# Altium PCB STM32MP15XXAC_1DDR3Lx16_A01.PcbDoc (part 3 of 3)
Units mm, origin at the board's own origin, x right, y up, seen from the top; angles counter-clockwise.
Board outline 89 x 120 mm, 4 copper layers (Top Layer, Signal Layer 1, Signal Layer 2, Bottom Layer), stack 1.571 mm thick; 133 components, 92 nets, 915 pads, 400 vias.
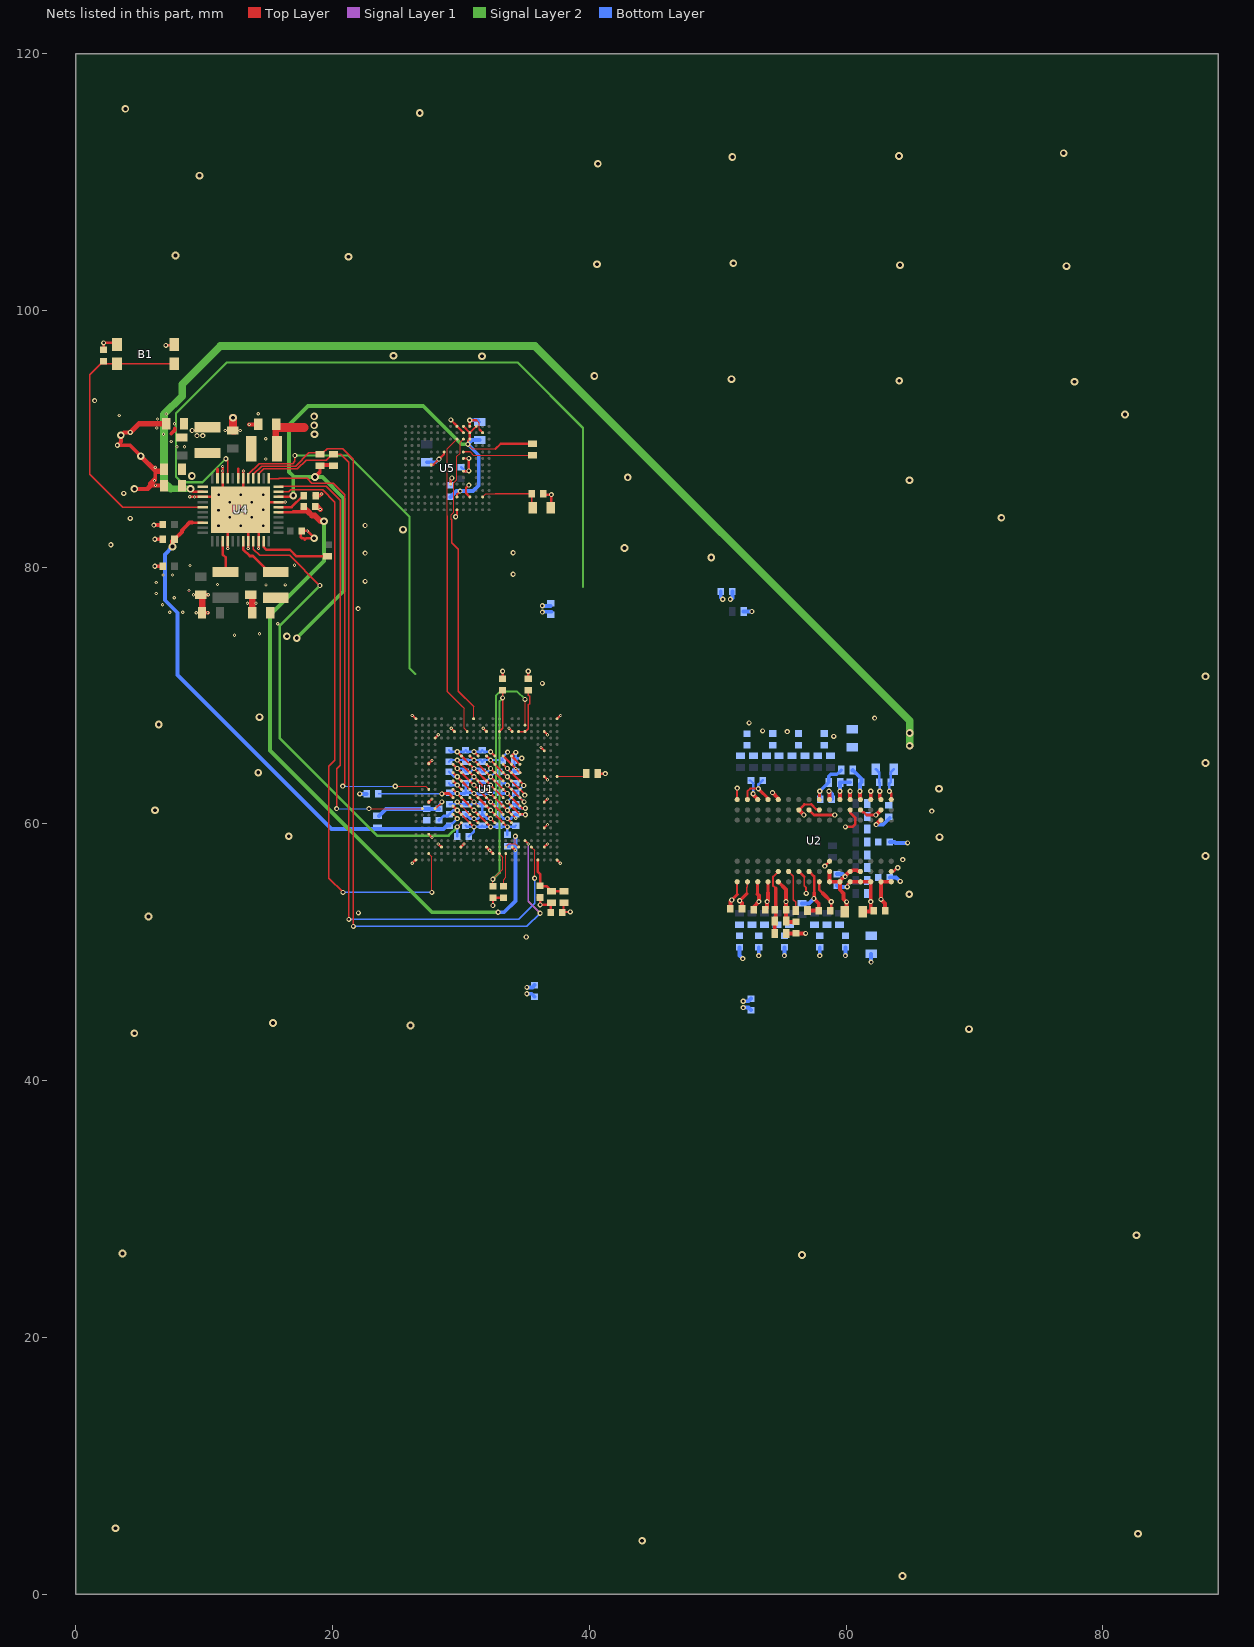
[diagram p5: the nets of this part, all layers, seen from the top]

## Via types
v1: diameter 0.4, hole 0.2, Top Layer to Bottom Layer, tented both sides, 241 vias
v2: diameter 0.6, hole 0.3, Top Layer to Bottom Layer, tented both sides, 81 vias
v3: diameter 0.25, hole 0.1, Top Layer to Signal Layer 1, tented top, 72 vias
v4: diameter 0.25, hole 0.1, Top Layer to Signal Layer 1, tented both sides, 6 vias

## Nets (pads, with @x,y where several pads share a name; then routed paths per layer and width w, separated by ;. In a path a pad name is that pad's centre, name@x,y a point inside that pad or via, vN(x,y) a via of type N, cw(c..) or ccw(c..) an arc to the next point about the centre after c; other vN are vias at no path point) (continued)
GND: B1.1 B1.2 C1.2 C2.2 C3.2 C4.2 C5.2 C6.2 C7.2 C8.2 C9.2 C10.2 C11.2 C12.2 C13.1 C14.1 C15.1 C16.1 C17.2 C18.1 C19.2 C20.2 C21.2 C22.2 C23.2 C24.2 C25.2 C26.2 C29.1 C30.1 C31.1 C32.1 C33.1 C34.1 C35.1 C36.1 C37.1 C38.1 C39.1 C40.1 C41.1 C42.1 C43.2 C44.1 C45.1 C46.1 C47.1 C48.1 C49.1 C50.1 C51.1 C52.1 C53.1 C54.1 C55.1 C56.1 C57.1 C61.1 C66.1 C67.1 C68.1 C69.1 C70.1 C71.1 C72.1 C75.1 C76.1 C77.1 C78.1 C79.1 C80.1 C81.1 C82.1 C83.1 C84.2 C85.2 C86.2 C87.2 C88.1 C89.2 C90.2 C92.1 C94.1 C95.1 C96.1 C97.1 R26.1 R27.2 R28.1 R29.1 R32.1 R42.1 R44.1 U1.1A3 U1.1A5 U1.1A7 U1.1B2 U1.1B4 U1.1B6 U1.1B8 U1.1C1 U1.1C3 U1.1C5 U1.1C7 U1.1C9 U1.1D2 U1.1D4 U1.1D6 U1.1D8 U1.1E1 U1.1E3 U1.1E5 U1.1E7 U1.1E9 U1.1F2 U1.1F4 U1.1F6 U1.1F8 U1.1G1 U1.1G3 U1.1G5 U1.1G7 U1.1G9 U1.1H2 U1.1H4 U1.1H6 U1.1H8 U1.1J3 U1.1J5 U1.1J7 U1.A1 U1.A23 U1.AA5 U1.AA8 U1.AA12 U1.AA16 U1.AA21 U1.AB13 U1.AC1 U1.AC23 U1.C7 U1.C12 U1.C16 U1.C21 U1.D4 U1.F21 U1.H3 U1.K21 U1.P3 U1.P21 U1.V21 U1.W3 U2.A9 U2.B1 U2.B3 U2.B9 U2.D1 U2.D8 U2.E1 U2.E2 U2.E8 U2.F9 U2.G1 U2.G8 U2.G9 U2.J2 U2.J8 U2.M1 U2.M9 U2.P1 U2.P9 U2.T1 U2.T9 U4.6 U4.10 U4.15 U4.26 U4.30 U4.32 U4.41 U4.ep U5.A6 U5.C4 U5.E7 U5.G5 U5.H10 U5.J5 U5.K8 U5.N2 U5.N5 U5.P4 U5.P6 | length 188
  Top Layer w0.09: 31.225,91.45 31.45,91.225 31.45,90.725
  Top Layer w0.12: U2.M1@54.725,61.9 U2.M1@54.725,62 ; v1(58.675,62.55) v1@58.725,62.5
  Top Layer w0.15: 51.525,54.51 U2.T9@51.525,55.55 ; U2.T1@51.525,61.9 v1(51.525,62.8) ; v1@52.765,62.31 v1(52.765,62.36)
  Top Layer w0.175: v3(26.225,56.95) 26.475,57.2 U1.AC1@26.5,57.2 ; v3(26.225,68.45) 26.25,68.45 U1.A1@26.5,68.2 ; U1.W3@27.5,59.2 v3(27.75,58.95) ; U1.P3@27.5,61.7 v3(27.75,61.95) ; U5.H10@27.7,87.975 27.85,87.975 v1(28.3,88.425) 28.7,88.825 U5.K8@28.7,88.975 ; U1.D4@28,66.7 v3(28.25,66.95) ; v3(28.25,58.45) U1.AA5@28.5,58.2 ; v1(29.225,91.475) 29.7,91 U5.P6@29.7,90.975 U5.N5@30.2,90.475 ; v3(29.25,67.45) U1.C7@29.5,67.2 ; U1.1G1@29.4,61.4 U1.1J3@30.7,60.1 v1(31.025,59.775) ; U1.1E1@29.4,62.7 U1.1G3@30.7,61.4 U1.1J5@32,60.1 v1(32.325,59.775) ; U1.1C1@29.4,64 U1.1D2@30.05,63.35 U1.1E3@30.7,62.7 U1.1G5@32,61.4 U1.1H6@32.65,60.75 U1.1J7@33.3,60.1 v1(33.625,59.775) ; v1(29.6,83.925) 29.7,84.025 U5.A6@29.7,84.475 ; v1(29.725,64.975) v1(31.025,63.675) U1.1E5@32,62.7 v1(32.325,62.375) U1.1F6@32.65,62.05 U1.1G7@33.3,61.4 U1.1H8@33.95,60.75 33.975,60.75 v3(34.275,60.45) ; U5.G5@30.2,87.475 30.601,87.475 v1(30.625,87.5) v1(30.625,88.475) U5.J5@30.2,88.475 ; v1(30.625,86.4) 30.4,86.175 30.4,85.775 U5.C4@30.7,85.475 ; U1.1A3@30.7,65.3 U1.1B4@31.35,64.65 U1.1C5@32,64 U1.1E7@33.3,62.7 U1.1F8@33.95,62.05 U1.1G9@34.6,61.4 34.775,61.225 v1(35.025,61.225) ; U5.P4@30.7,90.948 U5.P4@30.7,90.975 v1(30.7,91.45) 31.225,91.45 ; 31.45,90.725 U5.N2@31.7,90.475 ; v3(31.75,67.45) U1.C12@32,67.2 ; U1.1A5@32,65.3 v1(32.325,64.975) U1.1C7@33.3,64 U1.1E9@34.6,62.7 34.975,62.325 v1(34.975,62.25) ; v1(32.5,53.65) C67.1@32.5,54.25 C69.1@33.325,54.25 ; U1.1A7@33.3,65.3 U1.1B8@33.95,64.65 U1.1C9@34.6,64 ; v3(33.75,67.45) U1.C16@34,67.2 ; U1.1C9@34.6,63.975 U1.1C9@34.6,64 ; U1.1C9@34.625,64 U1.1C9@34.6,64 ; v3(36.25,65.95) U1.F21@36.5,65.7 ; C82.1@36.425,85.725 36.5,85.65 v1(37.05,85.65) 37.05,84.675 C83.1@37,84.625 ; U1.AA21@36.5,58.2 v3(36.75,58.45) ; U1.V21@36.5,59.7 v3(36.75,59.95) ; U1.P21@36.5,61.7 v3(36.75,61.95) ; U1.K21@36.5,63.7 v3(36.75,63.45) ; U1.C21@36.5,67.2 v3(36.75,66.95) ; U1.AC23@37.5,57.2 v3(37.75,56.95) ; U1.A23@37.5,68.2 37.75,68.45 v3(37.775,68.45)
  Top Layer w0.2: C44.1@2.175,96.95 v1(2.175,97.475) 3.1,97.475 B1.1@3.225,97.35 ; v1(7.025,97.275) 7.6,97.275 B1.2@7.675,97.35 ; v4(8.882,85.482) 9.243,85.482 v4(9.25,85.475) U4.15@9.9,85.475 10.875,85.475 U4.ep@10.9,85.45 ; v3@11.45,87.825 v3(11.45,87.5) U4.10@11.45,86.925 11.45,85.875 v1(12.85,84.475) ; v3(11.85,81.45) U4.26@11.85,82.025 11.85,83.475 v1(12.85,84.475) ; v2(12.255,91.64) v2@12.381,91.514 ; v3@13.05,87.5 U4.6@13.05,86.925 U4.ep@13.05,84.675 ; v3@13.45,81.425 v3(13.45,81.45) U4.30@13.45,82.025 U4.ep@13.45,83.875 ; v3(14.25,81.45) U4.32@14.25,82.025 14.25,83.075 U4.ep@13.45,83.875 ; v3(16.325,85.075) U4.41@15.8,85.075 13.45,85.075 U4.ep@13.05,84.675 ; C51.1@17.537,82.762 17.537,82.338 17.625,82.25 17.757,82.25 17.857,82.15 17.957,82.25 v2(18.575,82.25) ; C51.1@17.6,82.825 v3(18.05,82.825) v2@18.6,82.275 ; U1.H3@27.5,64.7 v3(27.75,64.95) ; U5.E7@29.2,86.475 29.2,86.825 v1@29.325,86.95 ; U1.AA8@30,58.2 v3(30.25,58.45) ; U1.AA12@32,58.2 v3(32.25,57.95) U1.AB13@32.5,57.7 ; C66.1@33.25,71.3 v1(33.25,71.9) ; U1.AA16@34,58.2 v3(34.25,57.95) ; C68.1@35.25,71.3 v1(35.25,71.9) ; C72.1@36,54.275 36.175,54.1 v1(36.175,53.7) 37,53.7 C88.1@37,53.1 C88.1@37,53.05 ; R27.2@40.675,63.925 v1(41.25,63.925) ; 53.105,54.53 53.105,55.48 U2.P9@53.125,55.5 ; R44.1@55.35,52.45 R44.1@55.425,52.375 ; U2.J8@57.105,56.343 57.525,55.923 57.525,54.625 ; U2.J2@57.125,61.1 57.525,60.7 v1(59.125,60.7) ; v1(59.95,59.775) 60.5,59.775 60.725,60 60.725,60.48 60.325,60.88 U2.E2@60.325,61.15 ; U2.D1@61.085,61.94 U2.D1@61.125,61.9 ; v1(61.085,62.55) v1@61.125,62.51 ; U2.B1@62.625,62 U2.B1@62.725,61.9 ; v1(12.85,84.475) U4.ep@13.05,84.675 ; v1(12.85,84.475) U4.ep@13.45,83.875
  Top Layer w0.25: v1@51.095,54.08 51.525,54.51
  Top Layer w0.3: v1(4.25,90.5) 3.75,90.5 v2(3.525,90.275) 3.525,89.775 v1(3.25,89.5) 4.225,89.5 v2(5.075,88.65) ; v2(4.575,86.1) 5.65,86.1 5.675,86.125 ; v1(6.1,83.275) 6.75,83.275 C41.1@6.8,83.325 C41.1@6.775,83.35 ; v3(6.144,86.744) 5.925,86.525 5.925,86.5 ; v1(6.175,80.075) C32.1@6.8,80.075 ; v1(6.175,82.175) C49.1@6.8,82.175 ; v3(6.2,87.775) 6.2,87.525 6.2,86.95 ; C46.1@6.85,86.375 v3(6.214,86.375) 5.925,86.375 ; 7.45,90.4 7.725,90.675 7.725,90.8 ; C39.1@9.75,77.85 v3(10.325,77.85) ; C40.1@9.85,76.45 v3(10.3,76.45) ; C33.1@12.255,90.701 12.25,90.696 12.227,90.673 C33.1@12.25,90.65 C33.1@12.4,90.5 ; v3@13.5,91.125 v3(13.525,91.125) 13.95,91.125 C34.1@14.2,90.875 ; C43.2@18.6,85.575 C43.2@18.65,85.525 ; C43.2@18.684,85.562 19.012,85.562 v3(19.15,85.7) ; C21.2@51,53.4 51,53.975 v1(51.105,54.08) ; v1@52.765,62.31 U2.P1@53.15,61.925 ; C20.2@52.825,53.325 52.825,53.56 v1(53.215,53.95) 53.215,54.42 53.105,54.53 ; v1(54.275,62.45) U2.M1@54.725,62 ; U2.M9@54.725,55.5 55.325,54.9 v1(55.325,53.95) 55.325,52.475 R44.1@55.35,52.45 ; R44.1@55.425,52.375 C90.2@56.1,52.375 ; R29.1@57,53.25 C19.2@57.875,53.25 57.875,53.81 v1@57.525,54.16 ; v1(57.5,54.2) 57.5,54.185 v1@57.525,54.16 ; 57.525,54.625 v1@57.525,54.16 ; U2.G9@58.725,55.5 U2.G9@58.725,55.55 ; U2.G8@58.725,56.3 U2.G9@58.725,55.55 ; U2.G1@58.725,61.9 v1@58.725,62.5 ; U2.F9@59.505,55.543 60.305,56.343 60.438,56.343 60.489,56.393 60.861,56.393 60.912,56.343 U2.D8@61.053,56.343 ; U2.F9@59.525,55.55 U2.F9@59.525,55.5 ; C15.1@59.9,53.175 60.045,53.32 v1(60.045,53.93) 59.805,54.17 59.805,54.595 59.525,54.875 U2.F9@59.525,55.5 ; U2.E1@60.325,61.9 v1(60.325,62.55) ; U2.D1@61.085,61.94 v1(61.085,62.55) ; v1(62.35,59.95) 62.7,60.3 U2.B3@62.725,60.3 ; U2.B1@62.625,62 v1(62.625,62.55) ; C17.2@63.05,53.25 63.05,53.8 v1(62.725,54.125) U2.B9@62.725,55.5 U2.A9@63.525,55.5 ; 5.675,86.125 5.675,86.25 5.863,86.438 ; 5.675,86.125 5.925,86.375 ; 5.863,86.438 5.925,86.5 ; 5.863,86.438 5.925,86.375 ; 5.863,86.438 5.775,86.525 6.2,86.95 ; 5.925,86.375 5.925,86.5 ; 5.925,86.5 6.2,86.775 6.2,86.95 ; U2.G9@58.725,55.55 58.775,55.5 U2.F9@59.525,55.5
  Top Layer w0.4: v1(4.25,90.5) 4.925,91.175 C29.1@7.05,91.175 ; v2(5.075,88.65) 6.2,87.525 6.25,87.475 C42.1@6.6,87.475 ; C52.1@18.751,84.801 v3(19.053,84.5)
  Top Layer w0.5: C18.1@8.125,90.1 C18.1@8.25,90.1 ; C39.1@9.75,77.85 9.85,77.75 C40.1@9.85,76.45 ; C31.1@13.625,77.85 13.625,77.75 13.75,77.625 C38.1@13.75,76.45
  Top Layer w0.6: C33.1@12.25,90.65 12.25,90.696 12.25,91.635 v2(12.255,91.64)
  Bottom Layer w0.15: C22.2@52.5,63.4 52.55,63.4 C22.2@52.765,63.185 ; v1(58.675,62.55) v1@58.75,62.625
  Bottom Layer w0.175: C75.1@29.075,64.075 29.475,63.675 v1(29.725,63.675) 30.225,63.175 C37.1@30.375,63.175 30.525,63.175 v1(31.025,63.675) 31.525,63.175 C36.1@31.675,63.175 31.825,63.175 v1(32.325,63.675) 32.725,64.075 C45.1@32.975,64.075 33.225,64.075 v1(33.625,63.675) 34.125,63.175 C57.1@34.275,63.175 ; C35.1@29.075,64.85 29.2,64.975 v1(29.725,64.975) v1(31.025,64.975) 31.55,64.975 C76.1@31.675,64.85 31.8,64.975 v1(32.325,64.975) C53.1@33.25,64.975 ; C96.1@30.375,59.875 C96.1@30.475,59.775 ; C47.1@30.625,59.025 31.025,59.425 v1(31.025,59.775) ; C81.1@31.325,91.45 C81.1@31.475,91.3 ; C95.1@31.575,59.775 C95.1@31.675,59.875 C95.1@31.775,59.775 ; C55.1@32.875,59.775 C55.1@32.975,59.875 C55.1@33.075,59.775 ; C53.1@33.275,64.95 C53.1@33.25,64.975 ; v1(33.65,65.6) 33.25,65.2 C53.1@33.25,64.975 ; C54.1@34.175,59.775 C54.1@34.275,59.875
  Bottom Layer w0.2: C97.1@28.3,60.35 C97.1@28.3,60.275 28.65,60.625 28.975,60.625 29.425,61.075 v1(29.725,61.075) ; C94.1@29.125,62.425 29.175,62.375 v1(29.725,62.375) 30.325,62.375 C48.1@30.375,62.425 ; C80.1@29.2,86.375 29.2,86.825 v1@29.325,86.95 ; C78.1@30.025,87.8 30.35,87.475 30.6,87.475 v1(30.625,87.5) ; C37.1@30.375,63.175 C48.1@30.375,62.425 ; C96.1@30.475,59.775 v1(31.025,59.775) C95.1@31.575,59.775 ; C92.1@31.675,62.425 C92.1@31.725,62.375 ; C95.1@31.775,59.775 v1(32.325,59.775) C55.1@32.875,59.775 ; C55.1@33.075,59.775 v1(33.625,59.775) ; C71.1@33.625,59.175 v1(33.625,59.775) ; v1(33.625,61.075) 34.075,61.525 C56.1@34.275,61.525 34.575,61.225 v1(35.025,61.225) ; v1(33.625,62.375) 33.025,62.375 C77.1@32.975,62.425 32.375,62.425 v1(32.325,62.375) C92.1@31.725,62.375 ; C54.1@34.175,59.775 v1(33.625,59.775) ; v1(52.765,62.36) C22.2@52.765,63.185 ; C16.1@62.325,64.275 62.575,64.025 C24.2@62.575,63.25 62.625,63.2 v1(62.625,62.55) ; C48.1@30.375,62.425 30.975,62.425 v1(31.025,62.375) C92.1@31.725,62.375
  Bottom Layer w0.3: v1(22.125,62.35) C61.1@22.675,62.35 ; C79.1@27.35,88.175 28.05,88.175 v1(28.3,88.425) ; v1(30.7,91.45) C81.1@31.325,91.45 ; v1(35.15,47.275) 35.575,47.275 C87.2@35.75,47.45 ; v1@36.325,76.975 C84.2@36.975,76.975 ; v1(51,77.5) 51.036,77.5 51.15,77.614 C85.2@51.15,78.1 ; C2.2@51.705,50.395 51.705,49.77 v1(51.955,49.52) ; v1(52,45.7) 52.4,45.7 C86.2@52.6,45.5 ; R28.1@52.025,76.55 v1(52.675,76.55) ; v1(53.205,49.745) C3.2@53.205,50.395 ; v1(55.205,49.745) C4.2@55.205,50.395 ; R26.1@56.58,53.82 57.12,53.82 v1(57.5,54.2) ; v1(57.955,49.745) C1.2@57.955,50.395 ; v1(58.675,62.55) 58.9,62.325 C25.2@58.9,61.925 ; C23.2@59.3,56.1 59.725,56.1 v1(59.925,55.9) ; v1(59.955,49.745) C5.2@59.955,50.395 ; R42.1@60.5,64.175 R42.1@60.525,64.2 61.2,63.525 C89.2@61.2,63.25 61.085,63.135 v1(61.085,62.55) ; v1(61.955,49.245) C13.1@61.955,49.895 ; v1@62.325,59.9 62.385,59.96 62.9,59.96 C8.2@63.405,60.465 ; C6.2@63.405,55.845 63.905,55.845 v1@64.105,55.645 ; C7.2@63.405,58.595 63.78,58.595 63.85,58.525 v1(64.8,58.525)
  other v1: 35.1,51.2 22.025,53.075 64.225,55.525 64.425,57.225 66.675,61 31.025,61.075 32.325,61.075 59.05,66.825 55.425,67.2 53.5,67.25 52.45,67.875 62.225,68.25 36.35,70.95 22,76.775 36.35,77 22.55,78.9 34.075,79.45 22.55,81.1 34.075,81.125 2.75,81.75 11.125,83.225 12.875,83.225 14.6,83.225 22.55,83.25 4.25,83.801 12,83.875 13.725,83.875 11.125,84.45 14.6,84.475 12,85.075 13.725,85.075 11.15,85.65 12.875,85.65 14.6,85.65 3.75,85.75 29.3,86.95 1.475,92.975
  other v2: 64.4,1.425 44.125,4.175 82.75,4.725 3.1,5.15 56.575,26.425 3.65,26.55 82.625,27.975 4.575,43.7 69.575,44.025 26.075,44.3 15.375,44.5 5.675,52.8 64.925,54.525 88,57.5 67.275,58.975 16.6,59.05 6.175,61.075 67.25,62.75 14.225,64 88,64.75 6.475,67.75 14.325,68.325 88,71.5 49.5,80.75 42.75,81.5 25.5,82.925 72.1,83.85 64.95,86.775 43,87 81.725,91.9 77.8,94.45 64.15,94.525 51.075,94.65 40.4,94.9 31.65,96.425 24.75,96.475 77.175,103.45 64.2,103.525 40.6,103.6 51.225,103.675 21.25,104.175 7.775,104.275 9.65,110.5 40.675,111.425 51.15,111.95 64.125,112.025 76.95,112.25 26.8,115.375 3.875,115.7
  other v3: 34.275,64.325 12.375,74.7 14.325,74.825 15.75,75.6 9.4,76.45 6.775,77.075 13.375,77.2 14.05,77.2 7.675,77.625 9.175,77.85 8.825,78.175 14.825,78.625 16.325,78.625 11.05,78.65 6.8,79.4 7.55,79.4 8.911,80.125 17.05,80.15 13.075,87.5 11.45,87.85 14.8,88.425 7.9,89.375 8.475,89.375 7.45,89.8 14.8,90 6.85,90.35 11.65,90.65 12.825,90.65 6.325,90.85 7.7,91.175 6.375,91.55 3.4,91.825 7.05,91.925 14.225,91.95
  other v4: 7.325,76.5 8.35,76.5 6.275,77.95 6.275,78.8
I2C4_SCL: R37.2 U1.Y18 U4.4 | length 66.8
  Top Layer w0.1: U4.4@13.85,86.925 13.85,87.237 14.488,87.875 17.125,87.875 18.15,88.9 19.025,88.9 19.26,88.9 19.6,89.24 20.81,89.24 21.638,88.413 v1(21.638,52.025) ; U1.Y18@35,58.7 v3(35.25,58.45)
  Signal Layer 1 w0.1: v3(35.25,58.45) 35.25,53.975 v1(36.175,53.05)
  Bottom Layer w0.1: v1(21.638,52.025) 35.15,52.025 v1(36.175,53.05)
I2C4_SDA: R38.2 U1.AA19 U4.3 | length 63.3
  Top Layer w0.09: U1.AA19@35.5,58.2 35.75,57.95 v1(35.75,55.775)
  Top Layer w0.1: U4.3@14.25,86.925 14.25,87.267 14.658,87.675 17.275,87.675 17.95,88.35 19.525,88.35 20.012,88.838 R38.2@19.975,88.875 ; R38.2@20.074,88.813 20.637,88.813 21.288,88.162 v1(21.288,52.575)
  Bottom Layer w0.1: v1(21.288,52.575) 34.5,52.575 35.75,53.825 v1(35.75,55.775)
NetB1_3: B1.3 B1.4 C44.2 U4.17 | length 24.5
  Top Layer w0.1: B1.4@7.675,95.85 B1.3@3.225,95.85 2.175,95.85 1.95,95.85 1.1,95 1.1,87.25 3.675,84.675 U4.17@9.9,84.675
NetC25_1: C25.1 R33.1 R42.2 U2.H1 | length 3.9
  Top Layer w0.25: U2.H1@57.925,61.9 57.925,62.52 v1(57.955,62.55)
  Bottom Layer w0.25: C25.1@58,61.925 57.955,61.97 v1(57.955,62.55) 57.955,62.555 R33.1@58.65,63.25 58.65,63.725 58.8,63.875 59.3,63.875 R42.2@59.625,64.2
NetC26_1: C26.1 R34.1 R44.2 U2.M8 | length 5.1
  Top Layer w0.15: 54.525,54.975 54.325,55.175 54.325,55.9 U2.M8@54.725,56.3
  Top Layer w0.3: R34.1@54.45,51.475 R44.2@54.45,52.45 54.525,52.525 54.525,53.325 54.525,54.975
NetC43_1: C43.1 U4.40 | length 2.2
  Top Layer w0.2: U4.40@15.8,84.675 16.828,84.675 C43.1@17.689,85.536
NetC61_2: C61.2 U1.1F1 | length 6
  Top Layer w0.2: v1@28.55,62.375 29.075,62.375 U1.1F1@29.4,62.05
  Top Layer w0.3: v1@28.475,62.35 v1(28.525,62.35) v1@28.55,62.375
  Bottom Layer w0.1: C61.2@23.575,62.35 v1(28.525,62.35)
NetC68_2: C68.2 U1.C17 U1.C18 | length 3.9
  Top Layer w0.1: U1.C17@34.5,67.2 U1.C18@35,67.2 35.025,67.2 35.25,67.425 35.25,69.275 35.35,69.375 35.35,69.945 35.25,70.045 C68.2@35.25,70.4
NetC69_2: C69.2 U1.AB15 | length 2.6
  Top Layer w0.09: C69.2@33.325,55.15 33.325,55.675 33.5,55.85 U1.AB15@33.5,57.7
NetC72_2: C72.2 R31.1 R32.2 U1.AC20 | length 4.1
  Top Layer w0.2: U1.AC20@36,57.2 36,56.275 36.2,56.075 36.2,55.175 36.2,55.15 36.7,55.15 R32.2@37.075,54.775 R31.1@38.05,54.775
NetC82_2: C82.2 C83.2 U5.C2 | length 5.1
  Top Layer w0.09: U5.C2@31.7,85.475 31.95,85.725 32.7,85.725
  Top Layer w0.1: 32.7,85.725 C82.2@35.525,85.725 35.525,84.7 C83.2@35.6,84.625
NetL1_1: L1.1 U4.7 | length 0.7
  Top Layer w0.2: U4.7@12.65,86.925 12.65,87.672
NetL2_1: L2.1 U4.11 | length 0.7
  Top Layer w0.2: U4.11@11.05,86.925 11.05,87.65
NetL3_1: L3.1 U4.29 | length 3.9
  Top Layer w0.2: U4.29@13.05,82.025 13.05,81.39 13.565,80.875 13.8,80.875 15.05,79.625 L3.1@15.575,79.625
NetL4_1: L4.1 U4.25 | length 2.4
  Top Layer w0.2: U4.25@11.45,82.025 11.45,81 11.675,80.775 L4.1@11.675,79.725
NetR27_1: R27.1 U1.K23 | length 2.3
  Top Layer w0.09: U1.K23@37.5,63.7 39.75,63.7 R27.1@39.775,63.725
NetR29_2: R29.2 U2.L8 | length 3.3
  Top Layer w0.12: U2.L8@55.525,56.3 55.9,55.925 55.9,54.1 56.1,53.9 R29.2@56.1,53.25 R29.2@56.1,53.225
NetR40_1: R40.1 U5.K5 | length 5.5
  Top Layer w0.09: 30.725,88.975 30.975,88.725 R40.1@35.575,88.725
  Top Layer w0.1: U5.K5@30.2,88.975 30.725,88.975
NetR43_1: R43.1 U4.33 | length 5.7
  Top Layer w0.2: U4.33@14.65,82.025 14.65,81.561 14.836,81.375 16.675,81.375 17.2,80.85 R43.1@19.625,80.85
NRST: U1.M3 U4.1 | length 36
  Top Layer w0.09: v1(24.89,62.94) 27.26,62.94 U1.M3@27.5,62.7
  Top Layer w0.1: U4.1@15.05,86.875 15.82,86.875 15.87,86.925 18.025,86.925 18.4,86.55 20.075,86.55 20.975,85.65 20.975,63.125 v1(20.8,62.95)
  Bottom Layer w0.09: v1(20.8,62.95) 24.88,62.95 v1(24.89,62.94)
PA0_WKUP: U1.AB3 U4.43 | length 46
  Top Layer w0.09: U1.AB3@27.5,57.7 27.75,57.45 v1(27.75,54.675)
  Top Layer w0.1: U4.43@15.8,85.875 16.614,85.875 16.764,86.025 19.25,86.025 20.2,85.075 20.2,64.975 19.725,64.5 19.725,55.775 v1(20.825,54.675)
  Bottom Layer w0.1: v1@20.8,54.675 v1(20.825,54.675) v1(27.75,54.675)
PWR_ON: U1.R2 U4.44 | length 36.1
  Top Layer w0.09: v1@22.825,61.2 v1(22.85,61.2) U1.R2@27,61.2
  Top Layer w0.1: U4.44@15.85,86.225 15.925,86.3 19.525,86.3 20.6,85.225 20.6,64.575 20.325,64.3 v1(20.325,61.2)
  Bottom Layer w0.09: v1(20.325,61.2) v1(22.85,61.2)
SDMMC2_CK: U1.C9 U5.M6 | length 23.7
  Top Layer w0.09: 28.95,84 28.95,89.225 U5.M6@29.7,89.975 ; 30.137,69.138 30.25,69.025 30.25,67.45 U1.C9@30.5,67.2
  Top Layer w0.13: 28.95,84 28.95,70.325 30.137,69.138
SDMMC2_CMD: U1.A10 U5.M5 | length 22.9
  Top Layer w0.09: 29.255,83.745 29.255,84.068 29.46,84.273 29.46,86.574 29.7,86.814 29.7,88.636 29.95,88.886 29.95,89.725 U5.M5@30.2,89.975 ; U1.A10@31,68.2 31,69.15
  Top Layer w0.13: 29.255,83.745 29.3,83.7 29.3,81.9 29.8,81.4 29.8,70.35 31,69.15
VDD: C38.2 C47.2 C48.2 C80.2 C81.2 C92.2 C94.2 C95.2 C96.2 L3.2 R37.1 R38.1 R40.2 U1.1F3 U1.1G2 U1.1G4 U1.1H3 U1.1H5 U1.1J2 U1.1J4 U1.1J6 U1.B18 U4.31 U4.42 U5.C6 U5.M4 U5.N4 U5.P3 U5.P5 | length 120.2
  Top Layer w0.09: v1(30.55,89.575) 30.9,89.225 32.7,89.225 ; U1.B18@35,67.7 v1(35,69.7) v1@35,69.8
  Top Layer w0.1: U4.31@13.85,82.025 13.85,81.4 14.325,80.925 16.675,80.925 v1(19.025,78.575)
  Top Layer w0.12: v1(29.725,59.775) U1.1J2@30.05,60.1 ; v1(29.725,61.725) U1.1G2@30.05,61.4 U1.1H3@30.7,60.75 v1(31.025,60.425) U1.1J4@31.35,60.1 ; U1.1F3@30.7,62.05 v1(31.025,61.725) U1.1G4@31.35,61.4 ; U1.1H5@32,60.75 v1(32.325,60.425) U1.1J6@32.65,60.1
  Top Layer w0.175: U5.C6@29.7,85.475 29.7,85.675 v1(29.95,85.925) ; U5.P5@30.2,90.975 U5.N4@30.7,90.475 ; v1(30.55,89.575) 30.55,89.825 U5.M4@30.7,89.975 U5.N4@30.7,90.475 ; U5.P3@31.2,90.975 U5.N4@30.7,90.475 ; 32.7,89.225 33.1,89.625 R40.2@35.575,89.625
  Top Layer w0.2: U4.42@15.8,85.475 v2@16.85,85.475 ; v2@16.85,85.475 v2(16.95,85.575) ; v2@16.85,85.475 v2(16.95,85.575) ; v2(16.95,85.575) 16.95,85.579 v2(16.95,85.575) v2(16.95,85.575)
  Top Layer w0.25: 19,87.375 19.025,87.4 R37.1@19.025,87.9
  Top Layer w0.3: v2@18.65,87.15 v2(18.65,87.025) 19,87.375 ; R37.1@19.325,87.95 20.074,87.95 R38.1@20.175,87.95
  Signal Layer 2 w0.15: 32.6,60.675 32.725,60.8 32.725,69.975 33.075,70.325 34.375,70.325 v1(35,69.7)
  Signal Layer 2 w0.2: 16.95,87.1 17.025,87.025 ; v1(19.025,78.575) 15.9,75.45 15.9,66.675 23.475,59.1 29.05,59.1 v1(29.725,59.775)
  Signal Layer 2 w0.3: v2(16.95,85.575) 16.95,87.1 16.625,87.425 16.625,91.075 18.1,92.55 27.075,92.55 30.05,89.575 v1(30.55,89.575) ; 17.025,87.025 v2(18.65,87.025) 19.225,87.025 20.875,85.375 20.875,78.125 v2(17.225,74.475)
  Bottom Layer w0.09: C48.2@30.375,61.525 C48.2@30.4,61.5
  Bottom Layer w0.175: C47.2@29.725,59.025 v1(29.725,59.775)
  Bottom Layer w0.2: C94.2@29.125,61.525 29.525,61.525 v1(29.725,61.725) 29.925,61.525 C48.2@30.375,61.525 ; C96.2@30.375,60.775 30.725,60.425 v1(31.025,60.425) 31.325,60.425 C95.2@31.675,60.775 ; C48.2@30.4,61.5 30.8,61.5 v1(31.025,61.725) 31.225,61.525 C92.2@31.675,61.525 C95.2@31.675,60.775 ; v1(32.325,60.425) 32.025,60.425 C95.2@31.675,60.775
  Bottom Layer w0.3: C80.2@29.2,85.475 29.65,85.925 v1(29.95,85.925) 30.95,85.925 31.4,86.375 31.4,88.725 v1(30.55,89.575) 30.875,89.9 C81.2@31.475,89.9
  other v2: 16.45,74.625
VDD_CORE: C30.2 C34.2 C35.2 C36.2 C37.2 C75.2 C76.2 C77.2 L1.2 U1.1A2 U1.1A4 U1.1A6 U1.1B1 U1.1B3 U1.1B5 U1.1C2 U1.1C4 U1.1C6 U1.1D1 U1.1D3 U1.1D5 U1.1D7 U1.1E2 U1.1E4 U1.1E6 U1.1F5 U1.1F7 U1.1G6 U1.1H7 U4.5 | length 54.1
  Top Layer w0.1: U4.5@13.45,86.925 13.45,87.237 14.288,88.075 16.9,88.075 17.075,88.25 v1(17.075,88.7)
  Top Layer w0.175: U1.1D1@29.4,63.35 v1(29.725,63.025) U1.1E2@30.05,62.7 ; U1.1B1@29.4,64.65 v1(29.725,64.325) U1.1C2@30.05,64 U1.1D3@30.7,63.35 v1(31.025,63.025) U1.1E4@31.35,62.7 U1.1F5@32,62.05 v1(32.325,61.725) U1.1G6@32.65,61.4 U1.1H7@33.3,60.75 ; v1(29.725,65.625) U1.1A2@30.05,65.3 U1.1B3@30.7,64.65 v1(31.025,64.325) U1.1C4@31.35,64 U1.1D5@32,63.35 v1(32.325,63.025) U1.1E6@32.65,62.7 U1.1F7@33.3,62.05 ; v1(31.025,65.625) U1.1A4@31.35,65.3 ; U1.1B5@32,64.65 v1(32.325,64.325) U1.1C6@32.65,64 U1.1D7@33.3,63.35 ; v1(32.325,65.625) U1.1A6@32.65,65.3
  Top Layer w0.5: C34.2@15.6,90.875 15.6,89.3 L1.2@15.675,89.225
  Top Layer w0.7: C34.2@15.675,90.875 17.775,90.875
  Signal Layer 2 w0.175: v1(17.075,88.7) 21.225,88.7 26,83.925 26,72.125 26.45,71.675
  Bottom Layer w0.175: C75.2@29.075,63.175 29.225,63.025 v1(29.725,63.025) ; C35.2@29.075,65.75 29.2,65.625 v1(29.725,65.625) 30.25,65.625 C30.2@30.375,65.75 30.5,65.625 v1(31.025,65.625) 31.55,65.625 C76.2@31.675,65.75 31.8,65.625 v1(32.325,65.625) ; v1(29.725,64.325) 30.125,64.325 C37.2@30.375,64.075 30.775,64.075 v1(31.025,64.325) 31.425,64.325 C36.2@31.675,64.075 32.075,64.075 v1(32.325,64.325)
  Bottom Layer w0.2: v1(32.325,61.725) 32.525,61.525 C77.2@32.975,61.525
  other v2: 18.6,90.35 18.575,91.05 18.575,91.75
VDD_DDR: C15.2 C16.2 C17.1 C19.1 C20.1 C21.1 C22.1 C23.1 C24.1 C29.2 C42.2 C45.2 C53.2 C54.2 C55.2 C56.2 C57.2 C84.1 C85.1 C86.1 C87.1 C88.2 C89.1 C90.1 L2.2 R31.2 R33.2 R34.2 U1.1A8 U1.1B7 U1.1B9 U1.1C8 U1.1D9 U1.1E8 U1.1F9 U1.1G8 U1.1H9 U1.1J8 U2.A1 U2.A8 U2.B2 U2.C1 U2.C9 U2.D2 U2.D9 U2.E9 U2.F1 U2.G7 U2.H2 U2.H9 U2.K2 U2.K8 U2.N1 U2.N9 U2.R1 U2.R9 U4.9 U4.13 | length 112.4
  Top Layer w0.1: v1(11.7,88.45) 11.85,88.3 U4.9@11.85,86.925
  Top Layer w0.12: 52.265,54.57 52.265,55.049 52.325,55.109 U2.R9@52.325,55.55 ; U2.C1@61.88,61.889 U2.C1@61.905,61.914
  Top Layer w0.15: U2.R1@52.325,61.9 52.325,62.55 52.525,62.75 v1(53.175,62.75) v1@53.255,62.67 ; 56.75,55.875 56.75,55.2 56.9,55.05 v1(56.9,54.6) ; 56.75,61.525 57.3,61.525
  Top Layer w0.175: U1.1B7@33.3,64.65 v1(33.625,64.325) U1.1C8@33.95,64 U1.1D9@34.6,63.35 34.9,63.05 v1(34.9,63) ; v1(33.625,60.425) U1.1J8@33.95,60.1 ; v1(33.625,61.725) U1.1G8@33.95,61.4 U1.1H9@34.6,60.75 35,60.75 v1(35.025,60.725) ; v1(33.625,63.025) U1.1E8@33.95,62.7 U1.1F9@34.6,62.05 v1(34.925,61.725) ; v1(34.275,65.575) 34.225,65.575 U1.1A8@33.95,65.3 U1.1B9@34.6,64.65 U1.1B9@34.6,64.625 ; C88.2@37.9,53.05 C88.2@38,53.15 ; R31.2@38.05,53.875 38,53.825 C88.2@38,53.15 ; v1(38.525,53.15) C88.2@38,53.15
  Top Layer w0.2: C20.1@53.725,53.325 C20.1@53.855,53.455 ; 53.925,54.645 U2.N9@53.925,55.5 ; U2.K8@56.325,56.35 U2.K8@56.325,56.3 56.75,55.875 ; U2.K2@56.325,61.1 56.75,61.525 ; 57.3,61.525 57.675,61.15 U2.H2@57.925,61.15 ; U2.H9@57.925,55.5 57.925,54.87 58.22,54.575 ; U2.H9@57.925,55.55 U2.H9@57.955,55.55 ; v1(58.35,56.725) U2.G7@58.725,57.1 ; C19.1@58.775,53.25 58.855,53.33 v1(58.855,53.94) ; v1(60.1,55.1) 60.1,55.275 U2.E9@60.325,55.5 ; U2.E9@60.325,55.55 U2.E9@60.325,55.593 ; U2.D2@61.105,61.114 61.133,61.114 U2.D2@61.105,61.143 ; U2.D2@61.125,61.1 61.305,60.92 61.382,60.92 61.602,60.7 v1(62.325,60.7) ; U2.B2@62.705,61.138 U2.B2@62.705,61.143 ; v1(63.385,62.55) 63.525,62.41 U2.A1@63.525,61.9 ; U2.A8@63.525,56.3 63.685,56.3 63.985,56.6 63.995,56.59 v1(64.035,56.59)
  Top Layer w0.25: v1(51.715,54.02) 52.265,54.57 ; v1@53.255,62.67 53.925,62 U2.N1@53.925,61.9
  Top Layer w0.3: v1(51.715,54.02) 51.9,53.835 C21.1@51.9,53.4 ; C20.1@53.855,53.455 v1(53.855,53.95) 53.925,54.02 53.925,54.645 ; R34.2@55.35,51.475 C90.1@56.1,51.475 v1(56.85,51.475) ; U2.K2@56.325,61.1 v1(56.725,60.7) ; 58.22,54.575 v1(58.855,53.94) ; U2.F1@59.525,61.9 v1@59.525,62.51 ; U2.E9@60.325,55.5 U2.D9@61.125,55.5 U2.C9@61.925,55.5 v1(61.925,53.95) 61.925,53.225 61.875,53.175 ; C15.2@61.3,53.175 61.875,53.175 ; U2.C1@61.925,61.9 v1@61.925,62.5 ; C17.1@62.15,53.25 62.075,53.175 61.875,53.175 ; v1(62.325,60.7) U2.B2@62.725,61.1
  Signal Layer 2 w0.175: v1(11.7,88.45) 9.875,86.625 8.25,86.625 7.825,87.05 7.825,92 11.775,95.95 31.436,95.95 31.448,95.937 31.852,95.937 31.864,95.95 34.425,95.95 39.525,90.85 39.525,78.475
  Bottom Layer w0.15: v1(59.525,62.55) v1@59.55,62.575 ; R33.2@59.525,63.225 R33.2@59.55,63.25
  Bottom Layer w0.175: C45.2@32.975,63.175 33.475,63.175 v1(33.625,63.025) 33.898,62.752 33.973,62.752 34.275,62.45 C56.2@34.275,62.425 ; v1(33.625,61.725) C56.2@34.275,62.375 ; v1(33.625,64.325) 33.875,64.075 C57.2@34.275,64.075 34.175,64.175 C53.2@34.175,64.95 C53.2@34.275,65.05 ; C54.2@34.275,60.775 C54.2@34.325,60.725 ; v1(34.275,65.575) C53.2@34.275,65.05 ; v1(34.75,65.125) 34.35,65.125 C53.2@34.275,65.05 ; v1(34.9,63) 34.325,62.425 C56.2@34.275,62.425 ; v1(34.925,61.725) C56.2@34.275,62.375 ; C56.2@34.275,62.375 C56.2@34.275,62.425
  Bottom Layer w0.2: C55.2@32.975,60.775 33.325,60.425 v1(33.625,60.425) 33.925,60.425 C54.2@34.275,60.775 ; C54.2@34.325,60.725 v1(35.025,60.725) ; v1(51.715,54.02) v1@51.78,54.02 ; v1(53.175,62.75) 53.175,63.075 C22.1@53.5,63.4 ; v1(63.385,62.55) 63.385,63.16 C24.1@63.475,63.25 63.475,64.025 C16.2@63.725,64.275
  Bottom Layer w0.3: v1(35.15,46.775) 35.525,46.775 C87.1@35.75,46.55 ; v1@36.437,76.53 C84.1@37.087,76.53 ; C85.1@50.25,78.1 50.25,77.65 v1(50.4,77.5) ; v1(52,46.2) 52.4,46.2 C86.1@52.6,46.4 ; C23.1@59.3,55.2 59.4,55.1 v1(60.1,55.1) ; v1(59.525,62.55) R33.2@59.525,63.225 ; R33.2@59.55,63.25 C89.1@60.3,63.25
  other v1: 61.925,62.55 36.35,76.5 9.45,90.25 9.9,90.25 9.075,90.65
  other v2: 9.05,87.1
VDD_USB: C52.2 C71.2 U1.AA15 U1.AA17 U4.39 | length 57.9
  Top Layer w0.09: U1.AA15@33.5,58.2 33.75,58.45 34.25,58.45 ; v1@34.25,59.125 v1(34.25,59.05) 34.25,58.45 ; U1.AA17@34.5,58.2 34.25,58.45
  Top Layer w0.2: U4.39@15.8,84.275 16.85,84.275 ; C52.2@17.625,84.575 C52.2@17.775,84.725 C52.2@17.775,84.66 ; 16.85,84.275 18.075,84.275 18.117,84.317 18.175,84.375 18.059,84.375 17.775,84.375 16.95,84.375 16.85,84.275
  Top Layer w0.45: C52.2@17.775,84.66 17.775,84.659 18.059,84.375 18.117,84.317 18.409,84.025 18.625,84.025 19.075,83.575 v2(19.35,83.575)
  Signal Layer 2 w0.3: v2(19.35,83.575) 19.35,80.475 15.15,76.275 15.15,65.725 27.75,53.125 v1(32.9,53.125)
  Bottom Layer w0.09: 34.225,58.275 34.25,58.25
  Bottom Layer w0.3: v1(32.9,53.125) 33.375,53.125 34.25,54 34.25,58.25 v1(34.25,59.05) ; C71.2@33.625,58.275 34.225,58.275
VDDA: C49.2 C70.2 R41.1 U1.1H1 U4.20 | length 41.4
  Top Layer w0.09: U1.1H1@29.4,60.75 v1(29.725,60.425)
  Top Layer w0.2: 9.075,83.475 U4.20@9.9,83.475
  Top Layer w0.3: C49.2@7.7,82.175 8.275,82.75 8.275,82.873 8.55,83.148 8.55,83.155 8.87,83.475 9.075,83.475
  Top Layer w0.4: v2(7.55,81.6) 7.55,82.025 C49.2@7.7,82.175
  Bottom Layer w0.2: C70.2@29.35,60.05 v1(29.725,60.425)
  Bottom Layer w0.3: v2(7.55,81.6) 6.95,81 6.95,77.425 7.925,76.45 7.925,71.6 19.925,59.6 23.5,59.6 28.65,59.6 28.925,59.875 C70.2@29.125,59.875
VDDA_1V8: C66.2 C67.2 U1.AB14 U1.C14 | length 20.7
  Top Layer w0.09: C67.2@32.5,55.15 v1(32.5,55.7) 33.275,56.475 33.275,57.425 U1.AB14@33,57.7
  Top Layer w0.1: U1.C14@33,67.2 33.25,67.45 v1(33.25,69.825) C66.2@33.25,70.4
  Signal Layer 2 w0.1: v1@33.25,69.8 v1(33.25,69.825)
  Signal Layer 2 w0.15: 33.025,56.225 33.025,69.575 v1@33.25,69.8
  Signal Layer 2 w0.2: v1(32.5,55.7) 33.025,56.225
VREF+: C50.2 C97.2 R41.2 U1.R4 | length 6.5
  Top Layer w0.1: U1.R4@28,61.2 28.025,61.2 28.537,61.713 v1@28.575,61.75
  Bottom Layer w0.1: R41.2@23.5,60.625 R41.2@23.625,60.625 ; C97.2@28.3,61.175 28.3,61.5 v1(28.525,61.725)
  Bottom Layer w0.3: R41.2@23.625,60.625 24.175,61.175 C50.2@27.35,61.175 C97.2@28.3,61.175
VTT_DDR: C1.1 C2.1 C3.1 C4.1 C5.1 C6.1 C7.1 C8.1 C9.1 C10.1 C11.1 C12.1 C13.2 C14.2 C46.2 R1.2 R2.2 R3.2 R4.2 R5.2 R6.2 R7.2 R8.2 R9.2 R10.2 R11.2 R12.2 R13.2 R15.2 R16.2 R17.2 R18.2 R19.2 R20.2 R21.2 R22.2 R23.2 R24.2 R25.2 U4.14 | length 83.2
  Top Layer w0.2: 9.175,85.875 U4.14@9.9,85.875
  Signal Layer 2 w0.5: 7.4,86.1 v2(8.95,86.1)
  Signal Layer 2 w0.6: 7.4,86.1 6.875,86.625 6.875,91.9 8.3,93.325 8.3,94.25 11.275,97.225 35.775,97.225 64.955,68.045 v2(64.955,67.095) v2(64.955,66.095)
pads on no net: U1.A2 U1.A3 U1.A4 U1.A5 U1.A7 U1.A8 U1.A14 U1.A16 U1.A17 U1.A19 U1.A20 U1.A21 U1.A22 U1.AA1 U1.AA2 U1.AA3 U1.AA4 U1.AA6 U1.AA7 U1.AA9 U1.AA10 U1.AA11 U1.AA13 U1.AA14 U1.AA18 U1.AA20 U1.AA22 U1.AA23 U1.AB1 U1.AB2 U1.AB4 U1.AB5 U1.AB6 U1.AB7 U1.AB8 U1.AB9 U1.AB10 U1.AB11 U1.AB12 U1.AB16 U1.AB17 U1.AB18 U1.AB19 U1.AB20 U1.AB21 U1.AB22 U1.AB23 U1.AC2 U1.AC3 U1.AC4 U1.AC5 U1.AC7 U1.AC8 U1.AC10 U1.AC11 U1.AC13 U1.AC14 U1.AC16 U1.AC17 U1.AC19 U1.AC21 U1.AC22 U1.B1 U1.B2 U1.B3 U1.B4 U1.B5 U1.B6 U1.B7 U1.B8 U1.B9 U1.B14 U1.B15 U1.B16 U1.B17 U1.B19 U1.B20 U1.B21 U1.B22 U1.B23 U1.C1 U1.C2 U1.C3 U1.C4 U1.C5 U1.C6 U1.C8 U1.C10 U1.C15 U1.C19 U1.C20 U1.C22 U1.C23 U1.D1 U1.D2 U1.D3 U1.D5 U1.D6 U1.D7 U1.D8 U1.D9 U1.D10 U1.D11 U1.D12 U1.D13 U1.D14 U1.D15 U1.D16 U1.D17 U1.D18 U1.D19 U1.D21 U1.D22 U1.D23 U1.E1 U1.E2 U1.E3 U1.E4 U1.E23 U1.F2 U1.F3 U1.F4 U1.G1 U1.G2 U1.G3 U1.G4 U1.H1 U1.H2 U1.H4 U1.J2 U1.J3 U1.J4 U1.K1 U1.K2 U1.K3 U1.K4 U1.K20 U1.L1 U1.L2 U1.L3 U1.L4 U1.L21 U1.M2 U1.M4 U1.N1 U1.N2 U1.N3 U1.N4 U1.P1 U1.P2 U1.P4 U1.P20 U1.R3 U1.T1 U1.T2 U1.T3 U1.T4 U1.U1 U1.U2 U1.U3 U1.U4 U1.V2 U1.V3 U1.V4 U1.W1 U1.W2 U1.W4 U1.Y1 U1.Y2 U1.Y3 U1.Y4 U1.Y5 U1.Y6 U1.Y7 U1.Y8 U1.Y9 U1.Y10 U1.Y11 U1.Y12 U1.Y13 U1.Y14 U1.Y15 U1.Y16 U1.Y17 U1.Y19 U1.Y22 U1.Y23 U2.J1 U2.J9 U2.L1 U2.L9 U2.M7 U4.2 U4.16 U4.18 U4.21 U4.23 U4.34 U4.35 U4.38 U5.A1 U5.A2 U5.A7 U5.A8 U5.A9 U5.A10 U5.A11 U5.A12 U5.A13 U5.A14 U5.B1 U5.B7 U5.B8 U5.B9 U5.B10 U5.B11 U5.B12 U5.B13 U5.B14 U5.C1 U5.C3 U5.C5 U5.C7 U5.C8 U5.C9 U5.C10 U5.C11 U5.C12 U5.C13 U5.C14 U5.D1 U5.D2 U5.D3 U5.D4 U5.D12 U5.D13 U5.D14 U5.E1 U5.E2 U5.E3 U5.E5 U5.E8 U5.E9 U5.E10 U5.E12 U5.E13 U5.E14 U5.F1 U5.F2 U5.F3 U5.F10 U5.F12 U5.F13 U5.F14 U5.G1 U5.G2 U5.G3 U5.G10 U5.G12 U5.G13 U5.G14 U5.H1 U5.H2 U5.H3 U5.H5 U5.H12 U5.H13 U5.H14 U5.J1 U5.J2 U5.J3 U5.J12 U5.J13 U5.J14 U5.K1 U5.K2 U5.K3 U5.K6 U5.K7 U5.K10 U5.K12 U5.K13 U5.K14 U5.L1 U5.L2 U5.L3 U5.L12 U5.L13 U5.L14 U5.M1 U5.M2 U5.M3 U5.M7 U5.M8 U5.M9 U5.M10 U5.M11 U5.M12 U5.M13 U5.M14 U5.N1 U5.N3 U5.N6 U5.N7 U5.N8 U5.N9 U5.N10 U5.N11 U5.N12 U5.N13 U5.N14 U5.P1 U5.P2 U5.P7 U5.P8 U5.P9 U5.P10 U5.P11 U5.P12 U5.P13 U5.P14

## Polygon pours and split planes (outlines as drawn)
VDD_DDR on Signal Layer 2 "VDD_DDR" (solid, remove dead copper, pour order 86): 64.35,50.275 52.3,50.275 52.3,45 33.2,45 33.2,90.475 31.025,92.65 13.15,92.65 10.3,89.8 10.3,87.475 9.625,86.8 8.475,86.8 8.125,87.15 8.125,91.775 11.85,95.5 28.475,95.5 33.825,95.5 39,90.325 39,78.75 51.7,78.75 51.7,66.525 64.35,66.525
GND on Signal Layer 2 "NETR16_2_L04_P-001" (solid, pour order 192): 24.25,58.5 29.25,58.5 29.75,59 32.25,59 32.25,56.5 32,56.25 32,54.25 31.5,53.75 28.25,53.75 24.25,57.75
GND on Signal Layer 2 "NETR16_2_L04_P-001" (solid, pour order 190): 20.25,88 21.25,88 25.5,83.75 25.5,66 25.25,65.75 25,65.75 24.5,66.25 19.5,74.75 22,77.25 22,85.5 20.25,87.25
GND on Signal Layer 2 "NETR16_2_L04_P-001" (solid, pour order 188): 40.5,90.25 40.5,79.5 51.25,79.5 51.5,79.75 41,90.25
VDD_CORE on Signal Layer 2 "VDD_CORE" (solid, remove dead copper, pour order 94): 26.225,84.05 20.775,89.5 18.1,89.5 18.1,92.3 26.475,92.3 29.375,89.4 32.725,86.048 32.725,61.409 31.65,61.409 31.65,62.025 31.156,62.5 26.225,62.5
VDD on Signal Layer 2 "VDD" (solid, remove dead copper, pour order 88): 16.126,74.8 16.126,74.751 16.126,74.625 16.126,71.05 23.625,59.475 32.75,59.475 32.75,60.841 31.114,62.375 25.907,62.375 18.355,75.025 16.274,75.025 16.126,74.9
5V_VIN on Signal Layer 2 "5V_VIN" (solid, remove dead copper, pour order 96): 17.65,85.3 17.65,84.775 19.3,84.775 19.3,79.825 15.4,75.925 2.95,75.925 2.95,94.275 7.9,94.275 7.9,85.225 11.325,85.225 11.325,90.7 16.325,90.7 16.325,85.3
GND on Signal Layer 2 "Top Layer-No Net" (solid, remove dead copper, pour order 194): 52.5,78.5 52.5,67 64,67
GND on Signal Layer 2 "Top Layer-No Net" (solid, remove dead copper, pour order 196): 66.5,49.75 52.75,49.75 52.75,43.5 66.5,43.5
GND on Signal Layer 2 "GND_L03_P186" (solid, remove dead copper, pour order 186): 89,82 89,68 66,68 66,69 36,99 11,99 8,96 2,96 2,75 14,75 14,65 27,52 32,52 32,44 66,44 66,68 89,68 89,44 89,0 0,0 0,120 89,120
GND on Top Layer "GND_L01_P182" (solid, remove dead copper, pour order 182): 37.95,69.775 43.05,69.775 43.925,70.65 61.325,70.65 66.9,65.075 89,65.075 89,120 0,120 0,45.675 0,0 89,0 89,65.075 66.9,65.075 66.9,57.575 64.35,55.025 64.35,52.475 61.925,50.05 45.625,50.05 42.175,53.5 42.175,55.775 40.425,57.525 38.575,57.525 37.275,56.225 37.025,56.475 35.275,56.475 35.25,56.5 35.225,56.475 25.775,56.475 25.5,56.75 25.5,68.5 25.75,68.75 29.25,68.75 29.25,69.25 28.25,70.25 28.25,83.75 25,83.75 25,91.5 25.25,91.75 32.5,91.75 32.75,91.5 32.75,86.5 34.25,85 34.25,72.5 33.75,72 33.75,69 34,68.75 36.925,68.75
5V_VIN on Top Layer "NO TR" (solid, remove dead copper, pour order 180): 12.35,88.125 12.35,88.4 13.025,89.075 13.025,90.125 12.925,90.225 11.675,90.225 11.5,90.05 11.5,89.1 12.15,88.45 12.15,88.125
3V3 on Top Layer "NO TR" (solid, remove dead copper, pour order 178): 11.75,74.55 12.725,75.525 12.725,78.15 10.625,78.15 10.625,75.9 10.45,75.725 9.725,75.725 9.725,74.675 9.85,74.55
5V_VIN on Top Layer "NO TR" (solid, remove dead copper, pour order 176): 3.675,92.675 7.275,92.675 7.675,93.075 7.675,93.6 7.275,94 4.775,94 4.275,93.5 3.8,93.5 3.55,93.25 3.55,92.8
VDD_CORE on Top Layer "NO TR" (solid, remove dead copper, pour order 174): 17.5,89.95 17.5,91.564 18.063,92.127 18.748,92.127 19.05,91.825 19.05,89.925 18.9,89.775 17.675,89.775
VDD on Top Layer "NO TR" (solid, remove dead copper, pour order 172): 14.55,78.1 17.25,78.1 17.875,77.475 17.875,74.35 17.525,74 16.6,74 16.1,74.5 16.1,75.95 14.55,75.95
NetL4_1 on Top Layer "NO TR" (solid, remove dead copper, pour order 170): 11.325,81.575 11.35,81.6 11.55,81.6 11.575,81.575 11.575,81.3 12.725,80.153 12.725,79.225 12.675,79.175 10.675,79.175 10.625,79.225 10.625,79.975 11.325,80.675
5V_VIN on Top Layer "NO TR" (solid, remove dead copper, pour order 168): 10.925,81.575 10.95,81.6 11.15,81.6 11.175,81.575 11.175,80.725 10.5,80.05 10.5,78.475 7.95,78.475 7.775,78.65 7.775,79.025 7.9,79.15 8.825,79.15 9.175,79.5 9.438,79.75 9.701,79.75 9.75,79.801 9.75,80.338 10.925,81.451
5V_VIN on Top Layer "NO TR" (solid, remove dead copper, pour order 166): 14.425,78.575 14.325,78.475 13.075,78.475 13,78.55 13,80.075 12.525,80.55 12.525,81.575 12.55,81.6 12.75,81.6 12.775,81.575 12.775,81.293 14.425,79.656
NetL3_1 on Top Layer "NO TR" (solid, remove dead copper, pour order 164): 12.925,81.575 12.95,81.6 13.15,81.6 13.175,81.575 13.175,81.425 13.375,81.225 13.775,81.225 14.4,80.6 16.575,80.6 16.625,80.55 16.625,79.225 16.575,79.175 15.125,79.175 14.575,79.175 14.525,79.225 14.525,79.75 12.925,81.35
VDD_DDR on Top Layer "NO TR" (solid, pour order 160): 10.3,86.45 10.3,86.175 9.475,86.175 8.525,87.125 7.95,87.125 7.9,87.175 7.9,88.075 7.975,88.15 8.6,88.15
VTT_DDR on Top Layer "NO TR" (solid, remove dead copper, pour order 158): 9.7,85.775 7.875,85.775 7.7,85.95 7.7,86.7 7.875,86.875 8.65,86.875 9.075,86.45 9.55,85.975 9.7,85.975
NetL2_1 on Top Layer "NO TR" (solid, remove dead copper, pour order 156): 9.95,88.45 9.225,88.45 9.1,88.575 9.1,89.35 9.2,89.45 11.175,89.45 11.325,89.3 11.325,87.8 11.15,87.45 11.15,87.375 10.95,87.375 10.95,87.45
VDD_DDR on Top Layer "NO TR" (solid, remove dead copper, pour order 154): 11.3,91.3 10.85,91.75 8.2,91.75 7.975,91.525 7.975,90.125 8.075,90.025 9.525,90.025 10.8,90.025 11.3,90.525
NetL1_1 on Top Layer "NO TR" (solid, remove dead copper, pour order 114): 12.75,87.1 12.75,87.575 13.3,88.125 14.05,88.125 14.325,88.4 14.325,90.35 14.15,90.525 13.25,90.525 13.1,90.375 13.1,88.975 12.55,88.425 12.55,87.1
5V_VIN on Top Layer "NO TR" (solid, pour order 162): 8.675,89.05 7.588,89.05 6.475,89.95 6.475,90.15 5.7,90.15 5.7,88.425 5.85,88.275 8.6,88.275 10.35,86.525 10.75,86.525 10.75,87.45 9.875,88.325 9.35,88.325
GND on Bottom Layer "GND_L04_P184" (solid, remove dead copper, pour order 184): 89,64.25 66.25,64.25 66.25,67.9 63.75,67.9 63.75,66.75 52,66.75 52,78.25 51.5,78.75 38.75,78.75 37.75,77.75 37.75,68.625 35.575,66.45 27.7,66.45 27.5,66.25 27.5,58.5 28.25,57.75 35,57.75 35,52.75 36.5,51.25 36.5,46.25 37.5,45.25 52.45,45.25 52.9,45.7 52.9,49.9 53.2,50.2 63.25,50.175 64.5,50.175 64.5,55.3 63.25,55.3 63.25,60.75 66.25,60.75 66.25,64.25 86.5,64.25 89,64.25 89,0 0,0 0,99.25 0,99.5 0,120 89,120
VTT_DDR on Bottom Layer "VTT_DDR_BOT" (solid, remove dead copper, pour order 81): 63.975,51.095 63.975,54.925 62.775,54.925 62.775,61.345 65.705,61.345 65.705,67.595 64.205,67.595 64.205,66.345 58.95,66.345 58.705,66.345 54.205,66.345 51.425,66.345 51.425,65.095 54.725,65.095 59.45,65.095 61.65,65.095 63.955,65.095 63.955,62.345 61.4,62.345 61.4,52.345 50.955,52.345 50.955,51.095 55.705,51.095 55.705,50.595 57.455,50.595 57.455,51.095
GND on Signal Layer 1 "GND" (solid, remove dead copper, pour order 104): 0.408,119.592 89,119.592 89,0.408 0.408,0.408

## Silkscreen, mask and mechanical layers (free items; w line width, h text height)
Bottom Overlay:
  lines w0.15: 51.5,68 51.75,67.75 ; 51.5,70 60.75,70 ; 51.75,70 51.75,67.75 ; 52,68 51.75,67.75 ; 54.35,43.4 65.35,43.4 ; 62.75,48.6 62.75,49.3 ; 63.45,49.3 62.75,49.3 ; 64.55,43.4 64.55,47.3 62.75,49.3 ; 65.2,59.1 65,59.6 ; 65.4,59.9 65,59.6 ; 66.5,53 66.5,59.6 ; 66.5,59.2 65,59.6

## Text inside footprints (layer, text, board x,y; h text height)
B1: Top Overlay "1" at 3.75,96.95 h1.3; Top Overlay "4" at 6.6,95.45 h1.3; Top Overlay "3" at 3.725,95.45 h1.3; Top Overlay "2" at 6.65,96.95 h1.3; Top Overlay "1" at 2.375,96.85 h1.5; M14-Top Assembly "1" at 3.75,96.95 h1.3; M14-Top Assembly "2" at 6.65,96.95 h1.3; M14-Top Assembly "3" at 3.725,95.45 h1.3; M14-Top Assembly "4" at 6.6,95.45 h1.3
U1: M14-Top Assembly "A1" at 26.275,68.05 h0.5; M14-Top Assembly "1A2" at 29.7,65.15 h0.5
U2: M14-Top Assembly "A1" at 63.325,62.25 h0.75 r270
U4: Top Overlay "1" at 15.275,87.425 h1.5 r270; M14-Top Assembly "ep" at 12.65,85.175 h1.5 r270; M14-Top Assembly "44" at 15.9,86.515 h0.5 r270; M14-Top Assembly "35" at 15.91,82.895 h0.5 r270; M14-Top Assembly "34" at 14.9,81.95 h0.5 r270; M14-Top Assembly "23" at 10.5,81.95 h0.5 r270; M14-Top Assembly "22" at 9.49,82.915 h0.5 r270; M14-Top Assembly "13" at 9.49,86.495 h0.5 r270; M14-Top Assembly "12" at 10.475,87.425 h0.5 r270; M14-Top Assembly "1" at 14.9,87.15 h0.5 r270
U5: Top Overlay "A1" at 33.45,83.175 h1.5 r90; M14-Top Assembly "A1" at 32.35,84.225 h0.5 r90